# KiCad board ASP-K8071.kicad_pcb (continued)
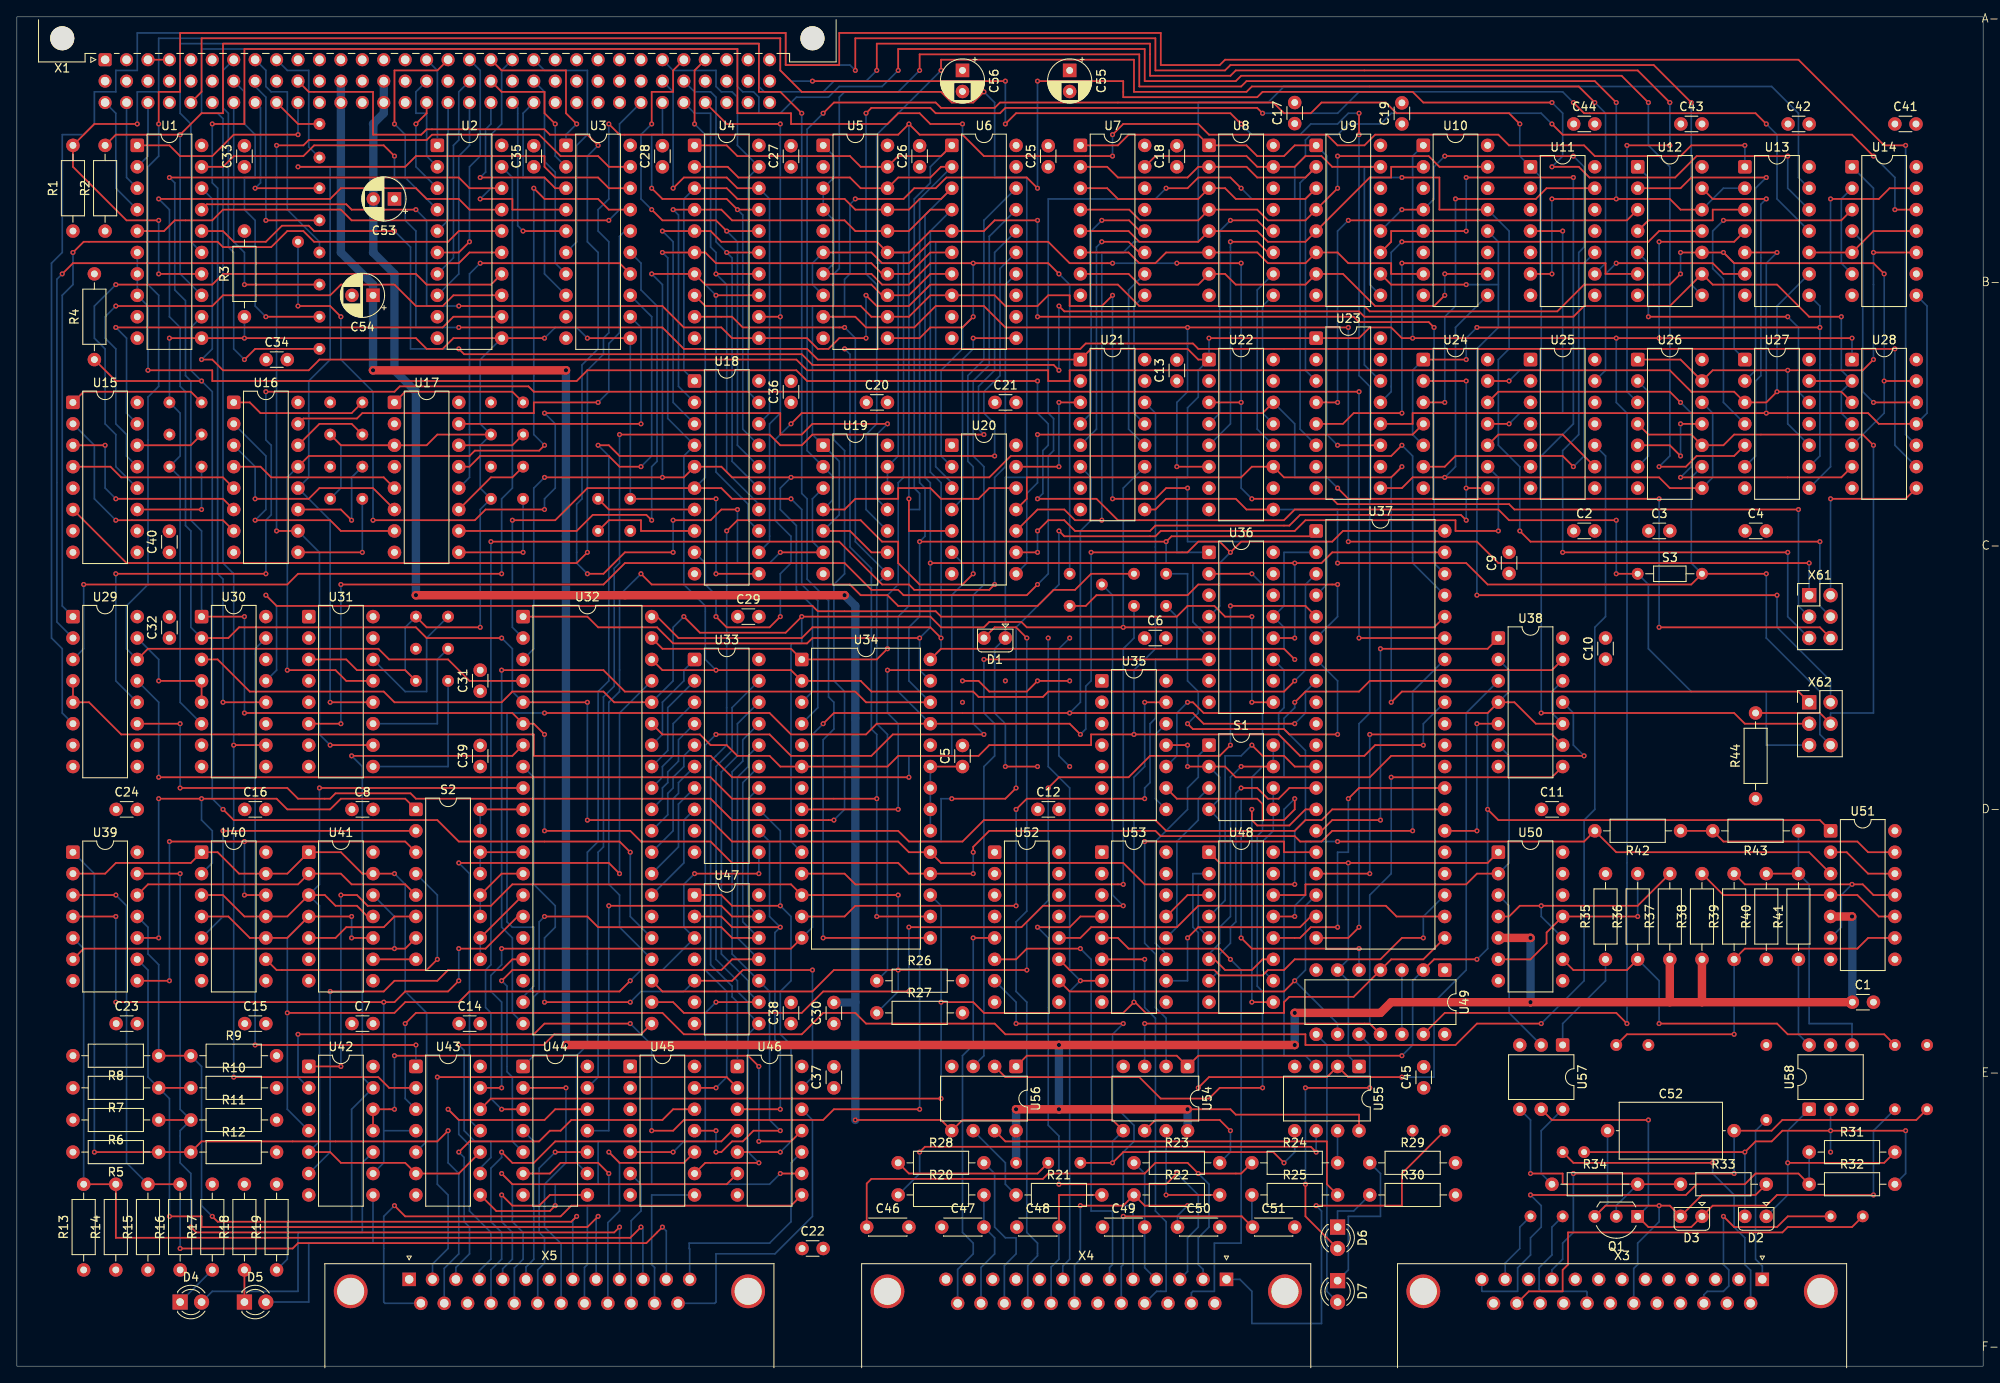
[diagram p0: board, top side]
## Routing (per net, layer and track width the routed paths; a pad name or vN(x,y) marks a point on that pad's centre or on a via; arc(x,y) is an arc through that point) (continued)
  Bottom w0.2: v1(207.31,113.01) 207.31,130.79 v1(208.57,132.06) ; U28.11 226.35,113.01 226.35,125.71 U14.8
U18A6: length 12
  Top w0.2: U18.7 70.14,101.58 X144.1
U18A7: length 13.2
  Top w0.2: X143.1 70.14,100.31 73.95,100.31 73.95,99.04 U18.8
U18CS: length 190.8
  Top w0.2: v1(194.6,102.85) 157.78,102.85 v1(156.5,104.12) ; v1(194.6,87.61) 213.66,87.61 X61.6 ; v1(91.73,111.74) 93,113.01 147.62,113.01 U22.14 ; v1(90.47,88.88) 89.19,87.61 84.12,87.61 v1(82.84,88.88)
  Bottom w0.2: U22.14 151.43,111.74 151.43,105.39 155.23,105.39 v1(156.5,104.12) ; v1(91.73,111.74) 89.83,109.83 89.83,100.31 91.73,98.41 91.73,95.23 90.47,93.96 v1(90.47,88.88) ; U18.9 81.58,95.23 81.58,92.69 82.84,91.42 v1(82.84,88.88) ; v1(194.6,102.85) v1(194.6,87.61)
U19CE2: length 176.8
  Top w0.2: v1(207.31,147.3) 206.03,148.57 185.72,148.57 v1(184.44,149.84) ; v1(147.62,148.57) 146.98,149.2 117.13,149.2 116.5,148.57 108.88,148.57 108.25,149.2 101.26,149.2 v1(100.62,148.57)
  Bottom w0.2: U19.10 100.62,101.58 100.62,110.47 101.9,111.74 101.9,128.25 100.62,129.52 v1(100.62,148.57) ; v1(184.44,149.84) 183.18,151.11 159.04,151.11 156.5,148.57 v1(147.62,148.57) ; v1(207.31,147.3) 208.57,146.03 208.57,138.41 U13.11
U19DE: length 160.7
  Top w0.2: v1(186.98,149.84) 185.08,151.75 146.34,151.75 145.71,151.11 132.38,151.11 132.38,154.92 109.51,154.92 v1(109.51,153.65)
  Bottom w0.2: v1(109.51,153.65) 101.9,146.03 101.9,130.79 104.44,130.79 104.44,107.93 U19.13 U19.12 ; U11.9 188.25,130.79 188.25,148.57 v1(186.98,149.84)
U20AQ: length 120.9
  Top w0.2: 103.17,121.9 106.97,121.9 108.25,123.17 112.06,123.17 v1(113.32,124.44) ; v1(123.48,129.52) 122.22,130.79 v1(113.32,130.79) 108.25,130.79 105.71,128.25 102.53,128.25 101.26,129.52 U5.7
  Bottom w0.2: v1(123.48,129.52) 124.75,128.25 X127.1 ; v1(113.32,130.79) v1(113.32,124.44) 112.06,123.17 112.06,120.63 109.51,118.09 109.51,107.93 U20.2 ; U5.1 96.81,143.5 96.81,140.95 95.55,139.69 U5.3 U5.4 96.81,135.88 96.81,130.78 U5.7
U20BQ: length 26.5
  Top w0.2: v1(113.32,121.9) U6.11
  Bottom w0.2: v1(113.32,121.9) 113.32,120.63 112.06,119.36 112.06,102.85 U20.4
U20DI: length 82.1
  Top w0.2: v1(171.75,116.82) U24.2 ; v1(171.75,100.31) 171.11,100.94 152.06,100.94 150.79,99.67 134.91,99.67 134.28,99.04 125.39,99.04 124.12,100.31 122.22,100.31 v1(120.94,99.04) ; U20.9 v1(120.94,96.5) ; v1(171.75,104.12) U24.8
  Bottom w0.2: v1(120.94,96.5) v1(120.94,99.04) ; v1(171.75,116.82) v1(171.75,104.12) v1(171.75,100.31)
U20DQ: length 63.8
  Top w0.2: v1(120.94,110.47) 165.4,110.47 U24.4
  Bottom w0.2: v1(120.94,110.47) 120.94,104.75 119.68,103.48 119.68,95.23 U20.8
U20EE: length 129.4
  Top w0.2: v1(162.85,78.72) 164.12,79.99 211.12,79.99 X62.1 ; U20.11 119.68,102.85 119.68,105.39 145.07,105.39 146.34,106.66 U22.11 150.16,105.39 162.85,105.39 v1(164.12,106.66)
  Bottom w0.2: v1(162.85,78.72) 162.85,105.39 v1(164.12,106.66)
U20FI: length 15.2
  Top w0.2: U21.3 v1(123.48,114.28) ; U20.13 v1(123.48,106.66)
  Bottom w0.2: v1(123.48,114.28) v1(123.48,106.66)
U21D1: length 30.8
  Top w0.2: U7.12 133.06,134.6 131.79,135.87 v1(128.56,135.87)
  Bottom w0.2: U21.4 127.29,113.01 127.29,134.6 v1(128.56,135.87)
U21D2: length 30.8
  Top w0.2: v1(128.56,133.33) 131.74,133.33 133.01,132.06 U7.11
  Bottom w0.2: U21.5 127.93,111.1 127.93,132.69 v1(128.56,133.33)
U21D3: length 21.9
  Bottom w0.2: U21.12 131.74,111.1 131.74,127.61 131.75,127.61 U7.10
U21D4: length 16.3
  Bottom w0.2: U21.13 132.38,113.01 132.38,125.7 U7.9
U22D1: length 30.8
  Top w0.2: U8.12 148.25,134.6 146.98,135.87 v1(143.81,135.87)
  Bottom w0.2: U22.4 142.53,113.01 142.53,134.6 v1(143.81,135.87)
U22D2: length 30.8
  Top w0.2: U8.11 148.25,132.06 146.98,133.33 v1(143.81,133.33)
  Bottom w0.2: v1(143.81,133.33) 143.81,111.74 U22.5
U22D3: length 21.9
  Bottom w0.2: U8.10 146.98,127.61 146.98,111.1 U22.12
U22D4: length 16.3
  Bottom w0.2: U22.13 147.62,113.01 147.62,125.71 U8.9
U22R: length 406.8
  Top w0.2: v1(141.26,121.9) U23.1 159.04,121.9 160.31,123.17 162.85,123.17 164.12,121.9 v1(165.4,121.9) v1(189.53,121.9) v1(194.6,121.9) v1(217.47,121.9) ; v1(190.79,40.62) 189.53,41.89 169.21,41.89 U49.13 ; U13.4 203.5,133.33 v1(194.6,133.33) ; U1.19 24.42,142.22 25.69,143.49 33.95,143.49 35.22,144.76 43.47,144.76 v1(44.75,143.49) ; U22.1 140,119.36 138.72,120.63 127.29,120.63 U21.1 94.91,119.36 93.64,120.63 79.03,120.63 76.5,123.17 v1(52.36,123.17)
  Bottom w0.2: U36.1 137.46,96.5 137.46,105.39 138.72,105.39 138.72,113.64 140,114.91 140,118.09 U22.1 v1(141.26,121.9) ; v1(189.53,121.9) 189.53,114.28 190.79,113.01 v1(190.79,40.62) ; U28.1 v1(217.47,121.9) ; U10.1 165.4,143.49 v1(165.4,121.9) ; v1(194.6,121.9) v1(194.6,133.33) ; v1(52.36,123.17) 47.28,123.17 47.28,134.6 46.02,135.87 46.02,139.68 44.75,140.95 v1(44.75,143.49)
U23I1: length 59.5
  Top w0.2: U12.3 190.79,135.87 v1(157.78,135.87) ; U23.4 v1(156.5,114.28)
  Bottom w0.2: v1(157.78,135.87) 156.5,134.6 v1(156.5,114.28)
U23I4: length 56.2
  Top w0.2: U12.11 194.6,134.6 193.34,133.33 v1(164.12,133.33)
  Bottom w0.2: v1(164.12,133.33) 162.85,132.06 162.85,115.55 U23.13
U24AQ: length 44.2
  Top w0.2: U24.3 v1(169.21,114.28) ; U11.13 181.27,139.68 180,138.41 v1(170.47,138.41)
  Bottom w0.2: v1(169.21,114.28) 169.21,124.44 170.47,125.71 v1(170.47,138.41)
U24DQ: length 34.8
  Top w0.2: U24.11 v1(176.82,111.74) ; U11.4 v1(183.18,134.6)
  Bottom w0.2: v1(176.82,111.74) 178.09,113.01 183.18,113.01 v1(183.18,134.6)
U25BQ: length 14.8
  Top w0.2: U24.10 175.56,110.47 183.18,110.47 U25.9
U26AQ: length 12
  Top w0.2: v1(197.15,107.93) 195.88,109.2 U26.5 ; U26.11 v1(197.15,111.74)
  Bottom w0.2: v1(197.15,107.93) v1(197.15,111.74)
U26BS: length 77.6
  Top w0.2: R44.2 213.66,77.45 X62.4 ; U26.4 193.34,110.47 198.41,110.47 U26.10 202.22,109.2 203.5,110.47 218.73,110.47 v1(220.01,109.2)
  Bottom w0.2: v1(220.01,109.2) 220.01,77.45 214.92,77.45 X62.4
U27AQ: length 40.9
  Top w0.2: v1(207.31,140.95) 198.41,140.95 197.15,139.68 U12.2
  Bottom w0.2: U27.2 206.03,118.09 206.03,139.68 v1(207.31,140.95)
U27CQ: length 40.9
  Top w0.2: U12.13 200.96,138.41 v1(207.31,138.41)
  Bottom w0.2: U27.6 206.03,107.93 206.03,116.82 206.67,117.45 206.67,137.77 v1(207.31,138.41)
U27DQ: length 46
  Top w0.2: v1(214.92,138.41) 220.64,138.41 221.91,139.68 U14.13
  Bottom w0.2: v1(214.92,138.41) 214.92,106.66 U27.8
U27FQ: length 35.9
  Top w0.2: v1(209.84,124.44) v1(193.34,124.44)
  Bottom w0.2: v1(209.84,124.44) 211.12,123.17 211.12,115.55 U27.12 ; v1(193.34,124.44) 193.34,130.79 U12.5
U28AQ: length 54.7
  Top w0.2: U28.6 216.2,105.39 v1(197.15,105.39) ; U24.12 175.56,115.55 195.88,115.55 v1(197.15,114.28)
  Bottom w0.2: v1(197.15,114.28) 198.41,113.01 198.41,106.66 v1(197.15,105.39)
U28CQ: length 22.1
  Top w0.2: v1(214.92,102.85) 223.82,102.85 U28.8
  Bottom w0.2: v1(214.92,102.85) X61.2
U29E2: length 139.6
  Top w0.2: U29.4 U29.5 8.55,78.72 12.36,74.91 61.25,74.91 61.25,72.37 82.21,72.37 84.75,69.83 v1(105.71,69.83)
  Bottom w0.2: U20.6 112.06,95.23 112.06,92.69 110.78,91.42 110.78,72.37 105.71,72.37 v1(105.71,69.83)
U29E3: length 313
  Top w0.2: v1(198.41,149.84) 193.97,154.28 143.81,154.28 143.17,153.65 134.91,153.65 134.91,157.46 99.35,157.46 v1(99.35,153.65)
  Bottom w0.2: U29.6 5.38,77.45 5.38,85.07 4.1,86.34 4.1,130.79 5.38,132.06 5.38,146.03 7.91,146.03 9.19,147.3 9.19,151.11 11.73,151.11 11.73,153.65 14.27,153.65 14.27,158.09 91.1,158.09 91.1,154.28 98.72,154.28 v1(99.35,153.65) ; U12.8 198.41,128.25 v1(198.41,149.84)
U29Q4: length 314.9
  Top w0.2: v1(181.91,149.84) 166.66,149.84 165.4,151.11 147.62,151.11 146.98,150.47 131.1,150.47 131.1,152.38 v1(120.94,152.38) ; v1(209.84,143.49) 199.05,143.49 196.51,140.95 186.35,140.95 185.08,142.22 v1(181.91,142.22) ; U29.11 v1(19.34,76.18) ; v1(19.34,68.56) 32.05,68.56 33.31,67.29 37.12,67.29 37.76,67.92 46.65,67.92 47.28,67.29 82.21,67.29 84.75,64.75 v1(96.81,64.75) ; v1(99.35,138.41) 105.07,138.41 106.34,139.68 108.88,139.68 110.15,140.95 119.68,140.95 v1(120.94,139.68)
  Bottom w0.2: v1(120.94,139.68) v1(120.94,152.38) ; v1(19.34,76.18) v1(19.34,68.56) ; v1(96.81,64.75) 98.09,66.02 98.09,79.99 96.81,81.26 96.81,92.69 98.09,93.96 98.09,108.56 96.81,109.83 96.81,124.44 98.09,124.44 98.09,128.88 98.72,129.52 98.72,137.77 v1(99.35,138.41) ; v1(181.91,149.84) 183.18,148.57 183.18,143.49 v1(181.91,142.22) ; v1(209.84,143.49) 209.84,139.68 U13.12
U30A2: length 211.4
  Top w0.2: U32.36 70.78,78.72 69.51,79.99 58.72,79.99 57.44,78.72 44.75,78.72 43.47,79.99 27.6,79.99 23.79,83.8 U30.3 ; U37.36 167.94,87.61 v1(131.1,87.61) 119.68,87.61 119.04,88.24 115.23,88.24 114.59,87.61 109.51,87.61 108.25,88.88 v1(93,88.88) 91.1,86.97 80.94,86.97 v1(79.03,88.88)
  Bottom w0.2: v1(131.1,87.61) 131.1,104.12 U21.11 ; v1(79.03,88.88) 77.77,87.61 77.77,81.26 U32.36 ; U34.10 91.73,62.21 91.73,85.7 93,85.7 v1(93,88.88)
U31QG: length 273.6
  Top w0.2: v1(145.07,139.68) 143.81,140.95 140,140.95 138.72,139.68 v1(136.19,139.68) ; v1(181.91,147.3) 183.18,146.03 217.47,146.03 v1(220.01,143.49) ; v1(38.39,92.69) 69.51,92.69 72.05,95.23 98.09,95.23 101.26,92.05 104.44,92.05 105.07,91.42 119.68,91.42 v1(120.94,92.69) ; v1(222.54,137.14) U14.12 ; U31.6 v1(38.39,76.18)
  Bottom w0.2: v1(222.54,137.14) 222.54,140.95 v1(220.01,143.49) ; v1(181.91,147.3) 180.63,148.57 162.85,148.57 161.59,147.3 157.78,147.3 156.5,146.03 153.33,146.03 152.69,145.39 152.69,143.49 151.43,142.22 151.43,138.41 146.34,138.41 v1(145.07,139.68) ; v1(136.19,139.68) 134.91,138.41 122.22,138.41 122.22,118.09 122.22,118.72 122.22,113.01 122.85,112.38 122.85,108.56 122.22,107.93 122.22,93.96 v1(120.94,92.69) ; v1(38.39,76.18) v1(38.39,92.69)
U32IEI: length 111
  Top w0.2: X124.1 127.29,93.96 125.39,92.05 122.85,92.05 120.94,90.15 104.44,90.15 103.16,91.42 99.99,91.42 98.72,92.69 75.22,92.69 v1(73.95,93.96)
  Bottom w0.2: U32.24 71.41,52.05 71.41,55.86 70.14,57.13 70.14,78.72 71.41,79.99 71.41,91.42 v1(73.95,93.96)
U32IEO: length 105.3
  Top w0.2: v1(105.71,52.05) 119.04,52.05 121.58,54.59 v1(131.1,54.59) ; v1(105.71,44.43) 95.54,44.43 93,41.89 79.03,41.89 77.77,43.16 U32.22
  Bottom w0.2: v1(105.71,44.43) v1(105.71,52.05) ; v1(131.1,54.59) 129.84,55.86 129.84,91.42 X125.1
U32PA7: length 92.1
  Top w0.2: v1(39.66,72.37) 58.72,72.37 U32.7
  Bottom w0.2: R19.1 32.05,12.68 32.05,17.12 39.66,17.12 39.66,30.46 U42.13 40.94,34.27 40.94,71.1 v1(39.66,72.37)
U34IEI: length 79.6
  Top w0.2: v1(118.41,54.59) 99.35,54.59 98.09,53.32 U34.13 ; v1(133.65,67.29) 119.68,67.29 v1(118.41,66.02)
  Bottom w0.2: X121.1 137.46,88.88 137.46,83.8 134.91,83.8 134.91,76.81 134.28,76.18 134.28,69.19 133.65,68.56 v1(133.65,67.29) ; v1(118.41,66.02) v1(118.41,54.59)
U34IEO: length 72.2
  Top w0.2: U34.11 98.09,58.4 99.35,57.13 v1(131.1,57.13)
  Bottom w0.2: v1(131.1,57.13) 131.1,85.07 132.38,86.34 X123.1
U34RD: length 144.5
  Top w0.2: U32.35 76.5,74.91 80.94,74.91 82.21,73.64 84.12,73.64 85.38,72.37 89.19,72.37 90.47,71.1 U34.6 103.16,71.1 104.44,72.37 113.96,72.37 115.23,73.64 127.29,73.64 127.29,74.91 v1(132.38,74.91) 149.52,74.91 152.06,72.37 159.68,72.37 160.95,73.64 v1(166.66,73.64)
  Bottom w0.2: v1(132.38,74.91) 132.38,82.53 134.91,85.07 134.91,113.01 U21.14 ; U37.32 166.66,76.18 v1(166.66,73.64)
U34T1: length 109
  Top w0.2: U34.8 v1(104.44,66.02) ; U38.13 181.91,82.53 v1(103.16,82.53)
  Bottom w0.2: v1(104.44,66.02) 104.44,76.18 103.16,77.45 v1(103.16,82.53)
U34T2: length 79.4
  Top w0.2: U37.27 155.87,66.02 154.6,64.75 152.69,64.75 151.43,63.48 136.19,63.48 134.91,64.75 114.59,64.75 112.06,62.21 105.71,62.21 104.44,63.48 U34.9
U35BQ: length 55.1
  Top w0.2: U35.9 137.46,67.29 146.98,67.29 147.62,66.66 147.62,64.75 150.16,64.75 151.43,66.02 v1(151.43,67.29)
  Bottom w0.2: v1(151.43,67.29) 150.16,66.02 150.16,36.81 152.69,36.81 152.69,36.81 U55.3
U36C: length 142.9
  Top w0.2: v1(29.5,91.42) 30.78,90.15 94.28,90.15 94.91,89.52 108.88,89.52 109.51,88.88 137.46,88.88 138.72,90.15 141.9,90.15 143.17,88.88 v1(146.34,88.88) ; v1(146.34,78.72) U36.9
  Bottom w0.2: U30.13 30.78,82.53 30.78,90.15 v1(29.5,91.42) ; v1(146.34,88.88) v1(146.34,78.72)
U36Q2N: length 76.5
  Top w0.2: U36.6 v1(114.59,83.8)
  Bottom w0.2: v1(114.59,83.8) 114.59,77.45 115.87,76.18 115.87,72.37 114.59,71.1 114.59,36.81 U56.3
U36Q3N: length 88.8
  Top w0.2: v1(147.62,33) 142.53,33 141.26,31.73 135.55,31.73 133.01,34.27 117.13,34.27 U56.2
  Bottom w0.2: U36.11 150.16,82.53 150.16,78.08 149.52,77.45 149.52,74.91 150.16,74.27 150.16,69.83 147.62,69.83 147.62,63.48 146.98,62.84 146.98,45.06 147.62,44.43 v1(147.62,33)
U37IEI: length 40.2
  Top w0.2: X126.1 126.66,90.15 127.93,91.42 138.72,91.42 140,92.69 v1(156.5,92.69)
  Bottom w0.2: U37.6 156.5,88.88 v1(156.5,92.69)
U37IEO: length 49.6
  Top w0.2: v1(138.72,76.18) 139.36,75.55 150.16,75.55 150.79,74.91 v1(156.5,74.91)
  Bottom w0.2: X122.1 138.72,93.96 138.72,81.26 140,79.99 140,77.45 v1(138.72,76.18) ; v1(156.5,74.91) 156.5,81.26 U37.7
U37RTSA: length 46.2
  Top w0.2: v1(160.31,74.91) 181.91,74.91 U38.9 ; U37.17 v1(160.31,58.4)
  Bottom w0.2: v1(160.31,58.4) v1(160.31,74.91)
U37TXDA: length 43
  Top w0.2: U38.1 174.28,85.07 v1(161.59,85.07) ; U37.15 154.6,63.48 155.87,64.75 v1(161.59,64.75)
  Bottom w0.2: v1(161.59,64.75) v1(161.59,85.07)
U38AQ: length 107.2
  Top w0.2: v1(140,33) 141.26,34.27 155.23,34.27 156.5,35.53 U55.2 157.77,34.27 v1(164.12,34.27)
  Bottom w0.2: v1(140,33) 140,51.41 139.36,52.05 139.36,58.4 U48.2 ; U38.3 171.75,77.45 171.75,46.97 167.94,43.16 167.94,34.27 v1(164.12,34.27)
U38BE: length 19
  Top w0.2: U38.5 v1(173.01,76.18) ; v1(173.01,63.48) U37.26
  Bottom w0.2: v1(173.01,76.18) v1(173.01,63.48)
U38BQ: length 44.8
  Top w0.2: U50.2 173.01,58.4 171.75,57.13 152.69,57.13 152.69,55.86 U48.14
  Bottom w0.2: U50.2 176.82,59.67 176.82,72.37 U38.6
U38DQ: length 86
  Top w0.2: v1(185.72,72.37) 162.85,72.37 160.31,69.83 144.44,69.83 143.17,71.1 S1.2 v1(138.72,71.1) ; U35.11 v1(138.72,73.64)
  Bottom w0.2: S1.2 142.53,69.83 142.53,67.29 S1.4 142.53,64.75 142.53,57.13 140,57.13 140,52.05 U48.5 ; v1(185.72,72.37) 184.44,73.64 184.44,77.45 U38.11 ; v1(138.72,71.1) v1(138.72,73.64)
U42AE: length 226.9
  Top w0.2: U42.1 v1(38.39,35.54) ; v1(119.68,46.97) v1(104.44,46.97) 96.81,46.97 94.28,44.43 76.5,44.43 U32.23 ; v1(143.81,90.15) 152.69,90.15 U37.5 ; v1(143.81,73.64) 142.53,72.37 134.28,72.37 131.74,69.83 123.48,69.83 v1(122.22,68.56) ; v1(38.39,55.86) 40.3,55.86 41.57,54.59 56.17,54.59 58.72,57.13 91.73,57.13 U34.12 v1(104.44,55.86)
  Bottom w0.2: v1(104.44,55.86) v1(104.44,46.97) 104.44,44.43 R27.1 ; v1(119.68,46.97) 119.68,52.69 122.22,55.22 v1(122.22,68.56) ; v1(38.39,35.54) v1(38.39,55.86) ; v1(143.81,73.64) v1(143.81,90.15)
U42AQ: length 237.2
  Top w0.2: v1(106.97,30.46) 96.81,30.46 95.54,29.19 79.03,29.19 77.77,27.92 v1(75.22,27.92) ; v1(175.56,99.04) 170.47,99.04 170.47,100.31 152.69,100.31 151.43,99.04 135.55,99.04 134.91,98.41 124.12,98.41 v1(123.48,99.04) ; v1(118.41,68.56) 117.13,67.29 v1(110.78,67.29) ; v1(33.31,39.35) 61.25,39.35 62.53,40.62 v1(72.69,40.62)
  Bottom w0.2: v1(175.56,99.04) 175.56,105.39 U24.9 ; U42.2 33.31,34.27 v1(33.31,39.35) ; v1(110.78,67.29) 109.51,67.29 109.51,62.21 106.97,62.21 v1(106.97,30.46) ; v1(72.69,40.62) 75.22,38.08 v1(75.22,27.92) ; v1(123.48,99.04) 123.48,92.69 118.41,87.61 v1(118.41,68.56)
U42FQ: length 69.6
  Top w0.2: v1(87.93,35.54) 86.66,36.81 v1(44.75,36.81) ; U42.11 U42.12 v1(44.75,30.46) ; U46.11 91.73,26.65 v1(87.93,26.65)
  Bottom w0.2: v1(44.75,30.46) v1(44.75,36.81) ; v1(87.93,35.54) v1(87.93,26.65)
U43AQ: length 223.6
  Top w0.2: v1(180.63,40.62) 173.01,40.62 170.47,38.08 152.69,38.08 152.69,39.35 117.13,39.35 115.87,40.62 100.62,40.62 99.35,41.89 95.54,41.89 93,39.35 79.03,39.35 76.5,41.89 47.28,41.89 v1(46.02,40.62)
  Bottom w0.2: U43.3 46.02,31.73 v1(46.02,40.62) ; U25.10 188.25,107.93 188.25,88.88 186.98,87.61 186.98,66.02 185.72,64.75 185.72,45.7 v1(180.63,40.62)
U43DE1: length 184.2
  Top w0.2: U43.12 56.17,31.73 v1(109.51,31.73) ; v1(109.51,43.16) 113.32,43.16 114.59,41.89 131.1,41.89 v1(132.38,43.16) 132.44,43.22 133.77,41.89 150.16,41.89 150.16,43.16 150.79,43.79 158.41,43.79 U49.4 162.85,48.24 166.66,48.24 U37.21 ; v1(133.65,78.72) U35.13
  Bottom w0.2: U34.17 109.51,54.59 v1(109.51,43.16) v1(109.51,31.73) ; v1(133.65,78.72) 133.65,71.1 132.38,69.83 v1(132.38,43.16)
U43DE2: length 176.5
  Top w0.2: U34.14 91.73,49.51 v1(57.44,49.51) ; U43.13 v1(57.44,33) ; v1(151.43,76.18) 140.63,76.18 139.36,77.45 v1(124.75,77.45) 96.81,77.45 v1(95.54,76.18)
  Bottom w0.2: v1(57.44,49.51) 57.44,47.6 56.17,46.34 56.17,44.43 57.44,43.16 v1(57.44,33) ; U34.14 94.28,52.05 94.28,74.91 v1(95.54,76.18) ; v1(151.43,76.18) 152.69,77.45 152.69,79.99 U37.8 ; U21.6 127.29,105.39 127.29,100.31 126.03,99.04 126.03,78.72 v1(124.75,77.45)
U43DQ: length 76.8
  Top w0.2: v1(71.41,58.4) 70.14,59.67 v1(52.36,59.67)
  Bottom w0.2: v1(71.41,58.4) 71.41,77.45 U32.37 ; v1(52.36,59.67) 53.64,58.4 53.64,29.19 U43.11
U44BE: length 171.1
  Top w0.2: v1(115.87,92.69) 115.23,92.05 106.34,92.05 105.71,92.69 102.53,92.69 97.45,97.77 v1(56.17,97.77) ; U44.3 v1(57.44,30.46)
  Bottom w0.2: U6.14 117.14,128.25 117.13,128.25 117.13,106.66 115.87,105.39 v1(115.87,92.69) ; v1(57.44,30.46) 56.17,31.73 56.17,41.89 55.54,42.53 55.54,46.97 56.17,47.6 v1(56.17,97.77)
U44BQ: length 18.5
  Bottom w0.2: U44.4 61.25,26.65 61.25,12.68 60.33,11.76 X5.6
U44DE: length 162.7
  Top w0.2: v1(68.88,109.2) 70.14,109.2 71.41,107.93 v1(115.87,107.93)
  Bottom w0.2: v1(68.88,109.2) 70.14,107.93 70.14,81.26 68.88,79.99 68.88,62.21 67.61,60.94 67.61,38.08 66.33,36.81 66.33,24.11 U44.9 ; U6.15 116.5,130.16 116.5,130.16 116.5,117.45 114.59,115.55 114.59,113.01 115.87,111.74 v1(115.87,107.93)
U44DQ: length 22.2
  Top w0.2: U44.8 63.16,20.3 61.89,19.03 58.72,19.03 v1(57.44,20.3)
  Bottom w0.2: v1(57.44,20.3) 57.44,17.12 58.72,15.85 58.72,12.68 57.56,11.53 X5.5
U44FE: length 149.5
  Top w0.2: v1(71.41,110.47) 89.19,110.47 90.47,109.2 93,109.2 94.28,110.47 v1(114.59,110.47)
  Bottom w0.2: U6.16 117.14,133.33 117.13,133.33 115.87,132.06 115.87,118.09 113.96,116.19 113.96,111.1 v1(114.59,110.47) ; v1(71.41,110.47) 71.41,95.23 70.78,94.59 70.78,80.62 69.51,79.35 69.51,61.57 68.88,60.94 68.88,34.27 U44.13
U44FQ: length 40.4
  Top w0.2: U44.12 63.8,30.46 62.53,29.19 52.36,29.19 v1(51.09,30.46)
  Bottom w0.2: v1(51.09,30.46) 52.36,29.19 52.36,27.48 53.64,26.21 53.64,18.4 56.17,15.85 56.17,12.68 54.8,11.3 X5.4
U45FE: length 146.3
  Top w0.2: v1(82.84,74.91) 89.19,74.91 91.73,72.37 101.26,72.37 103.8,74.91 v1(114.59,74.91) ; U45.13 v1(82.84,33)
  Bottom w0.2: U6.17 115.23,133.97 115.23,133.97 115.23,118.72 113.32,116.82 113.32,107.93 114.59,106.66 114.59,92.69 113.32,91.42 113.32,76.18 v1(114.59,74.91) ; v1(82.84,74.91) 81.58,73.64 81.58,46.97 84.12,44.43 84.12,34.27 v1(82.84,33)
U45FQ: length 46.3
  Top w0.2: v1(52.36,25.38) 53.64,26.65 61.89,26.65 63.16,27.92 64.43,27.92 65.7,29.19 76.5,29.19 77.77,30.46 U45.12
  Bottom w0.2: X5.3 52.03,11.7 53.64,13.31 53.64,16.49 53,17.12 53,24.75 v1(52.36,25.38)
U46AE: length 148.9
  Top w0.2: v1(84.12,99.04) 85.38,100.31 99.99,100.31 102.53,97.77 104.44,97.77 104.44,95.23 106.97,92.69 112.06,92.69 v1(113.32,93.96)
  Bottom w0.2: v1(84.12,99.04) 84.12,73.64 82.21,71.73 82.21,47.6 84.75,45.06 84.75,43.79 85.38,43.16 U46.1 ; v1(113.32,93.96) 113.32,106.66 112.69,107.3 112.69,117.45 114.59,119.36 114.59,135.87 114.6,135.87 U6.18
U46AQ: length 61.4
  Top w0.2: v1(49.83,34.27) 84.12,34.27 U46.2
  Bottom w0.2: X5.2 49.25,12.11 51.09,13.95 51.09,20.3 49.83,21.57 v1(49.83,34.27)
U46EQ: length 26.2
  Bottom w0.2: X5.13 79.72,13.9 79.67,13.95 79.67,14.59 89.19,14.59 91.73,17.12 91.73,24.11 U46.10
U48B1: length 39.5
  Top w0.2: S1.7 v1(145.07,71.1) ; U48.11 147.62,48.24 146.34,46.97 143.17,46.97 141.9,48.24 U48.6
  Bottom w0.2: v1(145.07,71.1) 143.81,69.83 143.81,53.32 142.53,52.05 142.53,50.15 141.26,48.88 U48.6 ; S1.7 S1.8
U48B2: length 23.9
  Bottom w0.2: U48.10 147.62,46.97 147.62,62.21 148.88,63.48 S1.5 S1.6
U48B3: length 76.8
  Top w0.2: v1(156.5,62.21) 185.72,62.21 R42.2 189.53,60.94 212.39,60.94 U51.3 ; U48.13 v1(151.43,53.32)
  Bottom w0.2: v1(151.43,53.32) 151.43,54.59 152.69,55.86 152.69,62.21 v1(156.5,62.21)
U48Q0: length 32.2
  Top w0.2: v1(146.34,73.64) 147.62,72.37 150.16,72.37 151.43,71.1 U37.12
  Bottom w0.2: v1(146.34,73.64) 145.07,72.37 143.17,72.37 143.17,55.22 U48.4
U48Q1: length 34.4
  Top w0.2: v1(145.07,68.56) 146.98,68.56 148.25,67.29 149.52,67.29 150.79,68.56 U37.13
  Bottom w0.2: U48.7 142.53,46.97 142.53,48.88 143.81,50.15 143.81,52.05 144.44,52.69 144.44,67.92 v1(145.07,68.56)
U48Q2: length 35.3
  Top w0.2: U37.14 152.69,66.02 150.79,64.12 146.98,64.12 146.34,64.75 v1(146.34,66.02) ; v1(146.34,43.16) U48.9
  Bottom w0.2: v1(146.34,66.02) v1(146.34,43.16)
U48Q3: length 36.6
  Top w0.2: v1(156.5,52.05) 153.33,52.05 152.06,50.78 U48.12 ; v1(157.78,67.29) 159.04,68.56 U37.28
  Bottom w0.2: v1(156.5,52.05) 156.5,60.94 157.78,60.94 v1(157.78,67.29)
U49CE: length 67.6
  Top w0.2: v1(145.07,50.78) 146.34,49.51 v1(159.04,49.51) ; U36.2 v1(146.34,93.96)
  Bottom w0.2: v1(145.07,50.78) 145.07,67.29 146.34,67.29 146.34,69.83 147.62,71.1 147.62,92.69 v1(146.34,93.96) ; U49.5 v1(159.04,49.51)
U49CQ: length 61.1
  Top w0.2: U48.1 142.53,59.67 v1(157.78,59.67) 174.28,59.67 U50.1
  Bottom w0.2: v1(157.78,59.67) 157.78,48.24 U49.6 157.78,45.7 157.78,36.81 U55.1
U49DE: length 48.7
  Top w0.2: v1(151.43,45.7) 150.16,44.43 124.75,44.43 U52.10
  Bottom w0.2: U37.18 152.69,54.59 152.69,46.97 v1(151.43,45.7) 156.5,40.62 U49.9
U49EE: length 86.5
  Top w0.2: v1(162.85,69.83) 181.91,69.83 U38.8 ; U49.11 160.31,40.62 v1(133.65,40.62)
  Bottom w0.2: v1(162.85,69.83) 162.85,58.4 160.31,55.86 160.31,40.62 U49.11 ; v1(133.65,40.62) U54.3
U49FQ: length 7.6
  Bottom w0.2: U49.12 U49.3
U50AC2: length 27.3
  Top w0.2: R37.2 192.06,54.59 v1(180.63,54.59) 178.09,54.59 176.82,53.32 U50.4
  Bottom w0.2: U50.10 180.63,53.32 v1(180.63,54.59)
U50AY1: length 19.9
  Bottom w0.2: U57.2 176.82,41.89 176.82,54.59 U50.3
U50B2: length 24.4
  Top w0.2: v1(192.06,53.32) U50.11 181.27,51.41 181.27,50.15 179.37,48.24 U50.6
  Bottom w0.2: v1(192.06,53.32) R36.2
U50E2: length 47.6
  Top w0.2: R36.1 190.79,46.97 184.44,46.97 U50.9 ; X102.1 221.28,39.35 209.84,39.35 208.57,40.62 v1(194.6,40.62)
  Bottom w0.2: v1(194.6,40.62) 194.6,45.7 R36.1
U51A2: length 26.5
  Top w0.2: R42.1 R43.2 202.22,62.21 218.1,62.21 219.37,60.94 U51.13
U51AG: length 206.1
  Top w0.2: v1(138.72,78.72) 139.36,78.72 140.63,77.45 174.28,77.45 U38.4 177.46,78.72 180,76.18 U38.10 ; v1(174.28,66.02) 175.56,64.75 213.66,64.75 U51.1 ; U49.2 167.94,48.24 v1(173.01,48.24) ; v1(164.12,36.81) 140,36.81 U54.1 137.46,36.81 119.68,36.81 U56.1
  Bottom w0.2: U38.10 181.91,77.45 181.91,79.99 U38.12 ; v1(138.72,78.72) 137.46,77.45 137.46,72.37 U35.10 ; v1(173.01,48.24) 174.28,49.51 v1(174.28,66.02) 174.28,77.45 U38.4 176.82,79.99 176.82,82.53 U38.2 ; v1(164.12,36.81) 165.4,38.08 165.4,45.7 U49.2
U51B1: length 25
  Top w0.2: R38.2 202.22,55.86 U51.4 218.1,55.86 220.64,53.32 U51.10
U51E1: length 27.5
  Top w0.2: U51.11 220.01,55.86 218.73,57.13 v1(217.47,57.13) 204.76,57.13 R39.2
  Bottom w0.2: v1(217.47,57.13) 216.2,55.86 216.2,52.05 U51.6
U52A2: length 47.7
  Top w0.2: U52.5 v1(113.32,50.78)
  Bottom w0.2: v1(113.32,50.78) 113.32,38.08 112.06,36.81 112.06,15.85 113.32,14.59 113.32,13.31 111.48,11.47 X4.25
U52A3: length 53.1
  Top w0.2: v1(126.03,49.51) 119.68,49.51 118.41,48.24 U52.6
  Bottom w0.2: v1(126.03,49.51) 127.29,48.24 127.29,18.4 129.84,18.4 129.84,12.04 129.48,11.69 X4.6
U52A4: length 53
  Top w0.2: v1(118.41,40.62) v1(131.1,40.62)
  Bottom w0.2: v1(131.1,40.62) 129.84,39.35 129.84,31.09 132.38,28.56 132.38,26.65 131.1,25.38 131.1,19.03 132.25,19.03 X4.5 132.25,10.66 132.38,10.78 ; v1(118.41,40.62) 118.41,43.16 U52.7
U52Y2: length 47.8
  Top w0.2: U52.12 126.03,50.78 127.29,52.05 137.46,52.05 140,54.59 162.22,54.59 163.49,53.32 U37.22
U52Y3: length 51.9
  Top w0.2: U52.11 124.75,46.97 141.9,46.97 142.53,46.34 147.62,46.34 148.25,46.97 150.16,46.97 151.43,48.24 161.59,48.24 164.12,50.78 v1(166.66,50.78)
  Bottom w0.2: U37.23 166.66,53.32 v1(166.66,50.78)
U53A1: length 68.7
  Top w0.2: v1(123.48,21.57) 136.19,21.57 v1(137.46,22.84) ; U53.4 126.03,53.32 124.75,52.05 v1(120.94,52.05)
  Bottom w0.2: X4.3 138.72,11.22 138.72,15.22 140,16.49 140,20.3 v1(137.46,22.84) ; v1(120.94,52.05) 122.22,50.78 122.22,28.56 123.48,27.28 v1(123.48,21.57)
U53A2: length 63.4
  Top w0.2: v1(143.81,48.24) 142.53,49.51 131.74,49.51 130.47,50.78 U53.5
  Bottom w0.2: v1(143.81,48.24) 145.07,46.97 145.07,14.59 141.9,14.59 141.9,8.87 139.36,8.87 139.18,8.69 X4.15
U53A3: length 48.6
  Top w0.2: U53.6 v1(133.65,48.24)
  Bottom w0.2: X4.17 135.06,8.87 136.19,8.87 136.19,17.12 134.91,18.4 134.91,41.25 133.65,42.53 v1(133.65,48.24)
U53A4: length 81
  Top w0.2: U53.7 v1(126.03,45.7)
  Bottom w0.2: X4.8 123.94,11.87 124.75,12.68 124.75,44.43 v1(126.03,45.7) 124.75,46.97 124.75,68.56 122.22,71.1 v1(122.22,86.34)
U53Y1: length 6.1
  Top w0.2: U53.13 138.72,55.86 U48.3
U53Y2: length 19.9
  Bottom w0.2: S1.3 140,67.29 140,64.75 137.46,62.21 137.46,52.05 U53.12
